# KiCad board M3DU_BoardV3_2.kicad_pcb (continued)
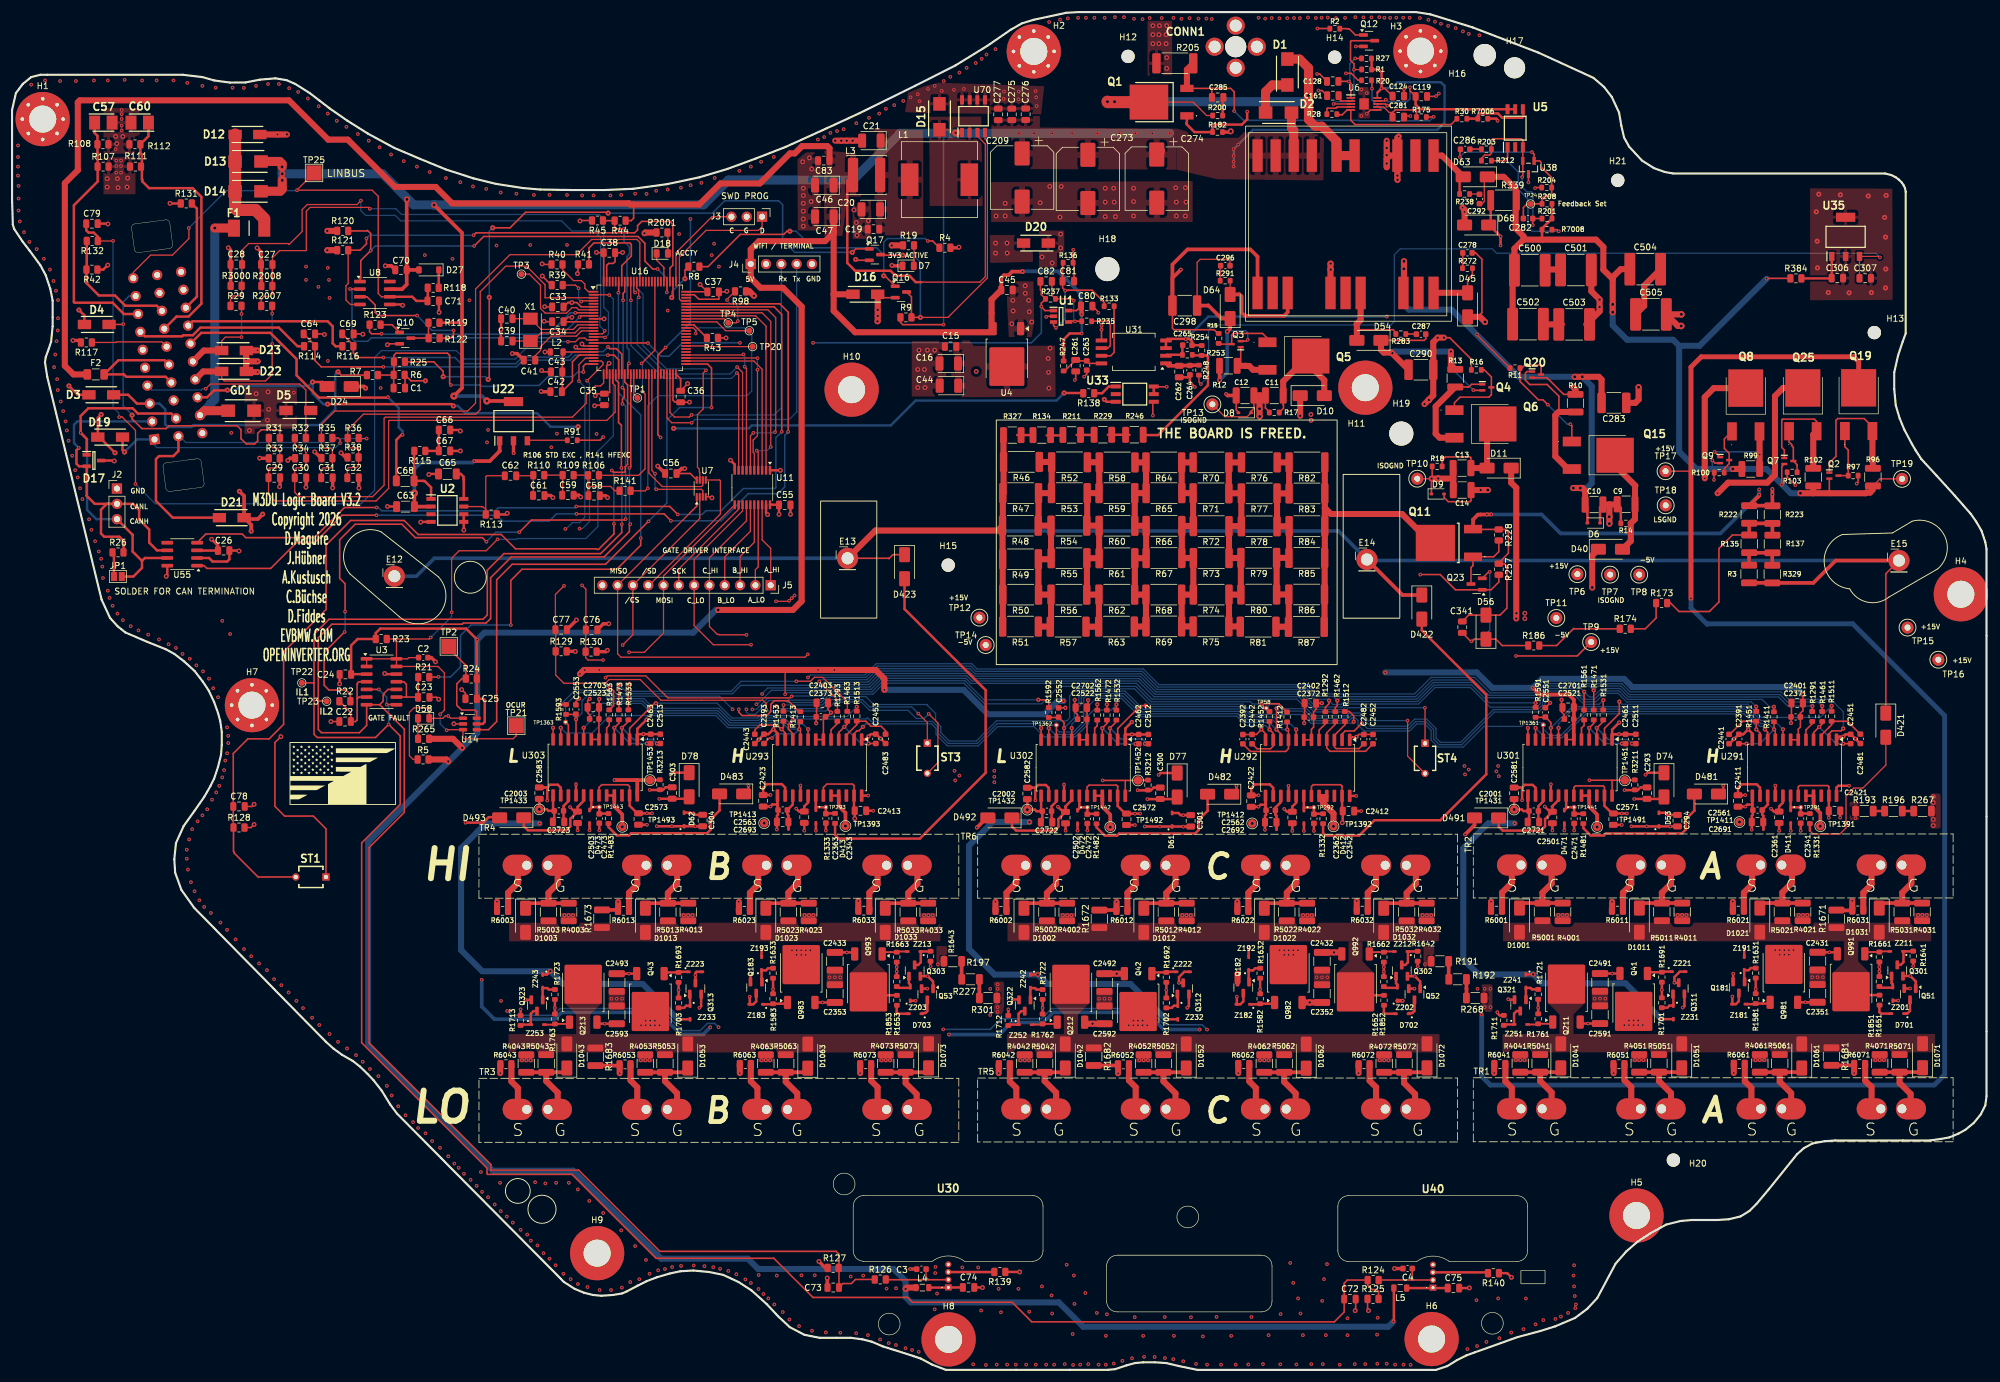
[diagram p0: board, top side]
## Library data of the parts (continued)
Q5 Q6 Q8 Q15 Q19 Q25 = -: Datasheet: https://componentsearchengine.com/Datasheets/1/NJVMJD127T4G.pdf; Description: Darlington Transistors BIP DPAK PNP 8A 100V 20 Watts; Manufacturer_Name: onsemi; Mouser Part Number: 863-NJVMJD127T4G; Mouser Price/Stock: https://www.mouser.co.uk/ProductDetail/onsemi/NJVMJD127T4G?qs=ru6cxL4sUikc9ROoWSvpxg%3D%3D
Q10 Q12 Q16 Q17 = -: Datasheet: https://www.onsemi.com/pdf/datasheet/pzt3904-d.pdf; Description: 0.2A Ic, 40V Vce, Small Signal NPN Transistor, SOT-23; ki_fp_filters: SOT?23*
Q11 = -: Datasheet: https://www.onsemi.com/download/data-sheet/pdf/FGD3N60LSD-D.PDF; Description: Obsolete - IGBT, 600V, 3A, 1.2V, DPAK, Planar; Height: 2.517; Manufacturer_Name: onsemi; Mouser Part Number: 512-FGD3N60LSDTM; Mouser Price/Stock: https://www.mouser.co.uk/ProductDetail/ON-Semiconductor-Fairchild/FGD3N60LSDTM?qs=1RUpyYoSILuyeMyjatYm%252BQ%3D%3D; Arrow Price/Stock: https://www.arrow.com/en/products/fgd3n60lsdtm/on-semiconductor
Q23 = -: Datasheet: http://assets.nexperia.com/documents/data-sheet/BSS84.pdf; Description: -0.13A Id, -50V Vds, P-Channel MOSFET, SOT-23; ki_fp_filters: SOT?23*
Q41-Q43 Q981-Q983 = -: Datasheet: https://ngspice.sourceforge.io/docs/ngspice-html-manual/manual.xhtml#cha_MOSFETs; Description: P-MOSFET transistor; Sim.Device: PMOS; Sim.Type: VDMOS; Sim.Pins: 1=G 2=D 3=S
Q51-Q53 = -: Description: N-MOSFET Depletion-mode
Q181-Q183 Q311-Q313 = -: Description: P-MOSFET transistor; Sim.Device: PMOS; Sim.Type: VDMOS; Sim.Pins: 1=G 2=S 3=D
Q211-Q213 Q991-Q993 = -: Description: N-MOSFET transistor; Sim.Device: NMOS; Sim.Type: VDMOS; Sim.Pins: 1=G 2=D 3=S
Q301-Q303 Q321-Q323 = -: Description: N-MOSFET transistor; Sim.Device: NMOS; Sim.Type: VDMOS; Sim.Pins: 1=G 2=S 3=D
R1-R5 R8-R18 R20 R25 R27 R28 R30 R46-R87 R91 R96 R97 R99 R100 R102 R103 R133-R137 R175 R182 R191-R193 R196 R197 R200 R201 R203 R204 R208 R211 R212 R222 R223 R227 R229 R235 R237 R238 R246-R248 R253 R254 R267 R268 R272 R283 R291 R301 R327 R329 R339 R1291-R1293 R1331-R1333 R1411-R1413 R1451-R1453 R1461-R1463 R1471-R1473 R1481-R1483 R1511-R1513 R1531-R1533 R1561-R1563 R1581-R1583 R1591-R1593 R1631-R1633 R1641-R1643 R1651-R1653 R1661-R1663 R1671-R1673 R1681-R1683 R1691-R1693 R1701-R1703 R1711-R1713 R1721-R1723 R1761-R1763 R1851-R1853 R3211-R3213 R4001-R4003 R4011-R4013 R4021-R4023 R4031-R4033 R4041-R4043 R4051-R4053 R4061-R4063 R4071-R4073 R5001-R5003 R5011-R5013 R5021-R5023 R5031-R5033 R5041-R5043 R5051-R5053 R5061-R5063 R5071-R5073 R6001-R6003 R6011-R6013 R6021-R6023 R6031-R6033 R6041-R6043 R6051-R6053 R6061-R6063 R6071-R6073 R7006 R7008 = -: Description: Resistor; ki_fp_filters: R_*
R6 R7 R19 R21-R24 R26 R29 R31-R45 R98 R106-R109 R111-R132 R138-R141 R173 R174 R186 R228 R257 R265 R384 R2001 R2007 R2008 R3000 = -: ki_fp_filters: R_*
R110 = -: JLC: 0805; LCSC: C26022; ki_fp_filters: R_*
R205 = -: Description: Resistor 6332; ki_fp_filters: R_*
ST1 ST3 ST4 = -: Description: Temperature dependent resistor; ki_fp_filters: R_*
T1 = -: Description: VGT22EPC-200S6A12
TP1 TP3-TP20 TP22-TP24 TP58 TP291-TP293 TP1361-TP1363 TP1391-TP1393 TP1411-TP1413 TP1431-TP1433 TP1441-TP1443 TP1451-TP1453 TP1491-TP1493 = -: Description: test point; ki_fp_filters: Pin* Test*
TP2 TP21 TP25 = -: ki_fp_filters: Pin* Test*
U1 = -: Datasheet: http://www.ti.com/lit/gpn/opa320; Description: Precision, Zero-Crossover, 20MHz, 0.9pA Ib, RRIO, CMOS Operational Amplifier; Height: 1.45; Manufacturer_Name: Texas Instruments; Mouser Part Number: 595-OPA320AIDBVR; Mouser Price/Stock: https://www.mouser.co.uk/ProductDetail/Texas-Instruments/OPA320AIDBVR?qs=g5raLcSarObYYXG7KaVGxQ%3D%3D; Arrow Price/Stock: https://www.arrow.com/en/products/opa320aidbvr/texas-instruments?region=nac
U2 = -: Datasheet: https://www.st.com/resource/en/datasheet/tda2822d.pdf; Description: STMICROELECTRONICS - TDA2822D013TR - Audio Power Amplifier, 300 mW, AB, 2 Channel, 1.8V to 15V, SOIC, 8 Pins; Height: 1.75; Manufacturer_Name: STMicroelectronics; Mouser Part Number: 511-TDA2822D013TR; Mouser Price/Stock: https://www.mouser.com/Search/Refine.aspx?Keyword=511-TDA2822D013TR
U3 = -: Datasheet: https://www.st.com/resource/en/datasheet/lm2901.pdf; ki_fp_filters: SOIC*3.9x8.7mm*P1.27mm* DIP*W7.62mm* TSSOP*4.4x5mm*P0.65mm*
U4 = -: Datasheet: https://www.st.com/resource/en/datasheet/ld1086.pdf; Description: Positive, 1.5A 30V, Linear Regulator, Fixed Output 3.3V, TO-252; ki_fp_filters: TO?252?2*
U5 U33 = -: Datasheet: https://docs.broadcom.com/docs/AV02-2373EN; Description: Broadcom ACPL-M49T-000E AC/DC Input, Transistor Output Optocoupler, Surface Mount, 5-Pin SO; Height: 2.6; Manufacturer_Name: Avago Technologies; Mouser Part Number: 630-ACPL-M49T-000E; Mouser Price/Stock: https://www.mouser.co.uk/ProductDetail/Broadcom-Avago/ACPL-M49T-000E?qs=KAs5CcNu0T5dK3kju8r8jA%3D%3D
U6 = -: Datasheet: http://www.ti.com/lit/gpn/TPS40211; Description: Wide Input Range Current Mode Boost Controller; Height: 1.1; Manufacturer_Name: Texas Instruments; Manufacturer_Part_Number: TPS40211DGQR; Mouser Part Number: 595-TPS40211DGQR; Mouser Price/Stock: https://www.mouser.co.uk/ProductDetail/Texas-Instruments/TPS40211DGQR?qs=QyYHynRG50oheXLf5vMKXA%3D%3D; Arrow Part Number: TPS40211DGQR; Arrow Price/Stock: https://www.arrow.com/en/products/tps40211dgqr/texas-instruments?region=nac
U7 = -: Datasheet: http://www.ti.com/lit/sg/scyt129e/scyt129e.pdf; Description: Triple Buffer Schmitt, Low-Voltage CMOS; ki_fp_filters: SSOP* VSSOP*
U8 = -: Datasheet: http://www.nxp.com/docs/en/data-sheet/TJA1021.pdf; Description: LIN 2.1/SAE J2602 transceiver, SOIC-8; ki_fp_filters: SOIC*3.9x4.9mm*P1.27mm*
U11 = -: Datasheet: https://www.ti.com/lit/ds/scas218x/scas218x.pdf; Description: 8-Bit Single-Supply Bus Transceiver With 5V tolerant input voltage and 3-State Outputs 24mA, TSSOP-20; ki_fp_filters: TSSOP*4.4x6.5mm*P0.65mm*
U14 = -: Datasheet: http://www.ti.com/lit/sg/scyt129e/scyt129e.pdf; ki_fp_filters: SOT* SG-*
U16 = -: Datasheet: https://www.st.com/resource/en/datasheet/stm32f103vc.pdf; Description: STMicroelectronics Arm Cortex-M3 MCU, 256KB flash, 48KB RAM, 72 MHz, 2.0-3.6V, 80 GPIO, LQFP100; LCSC PN: C8313; ki_fp_filters: LQFP*14x14mm*P0.5mm*
U22 = -: Datasheet: https://www.onsemi.com/pub/Collateral/NCV8452-D.PDF; Description: Short Circuit Protection; Thermal Shutdown with Automatic Restart; CMOS (3 V/5 V) Compatible Control Input; Overvoltage Protection and Shutdown; Output Voltage Clamp for Inductive Switching; Under Voltage Shutdown; Loss of Ground Protection; ESD Protection; Reverse Battery Protection (with external resistor); Very Low Standby Current; NCV Prefix for Automotive and Other Applications Requiring Unique Site and Control Change Requirements; AEC-Q100 Qualified and PPAP Capable; Height: 1.75; Manufacturer_Name: onsemi; Mouser Part Number: 863-NCV8452STT3G; Mouser Price/Stock: https://www.mouser.co.uk/ProductDetail/onsemi/NCV8452STT3G?qs=8%252BXDBfnGdBworrfSDzzDIg%3D%3D; Arrow Price/Stock: https://www.arrow.com/en/products/ncv8452stt3g/on-semiconductor?region=nac
U30 U40 = -: Datasheet: https://www.melexis.com/-/media/files/documents/datasheets/mlx91209-datasheet-melexis.pdf; Description: Board Mount Current Sensors Gen2 HiSpeed Conv.Hall Prog.Curr.Sens Ana 50mV/mT; Height: 3.79; Manufacturer_Name: Melexis; Mouser Part Number: 482-91209LVACAA000SP; Mouser Price/Stock: https://www.mouser.co.uk/ProductDetail/Melexis/MLX91209LVA-CAA-000-SP?qs=KuGPmAKtFKXKHFeHm%2FA20A%3D%3D
U31 = -: Datasheet: www.avagotech.com/docs/AV02-3563EN; Description: Precision Optycally Isolated Voltage Sensor, ±1% Gain Tolerance, Bandwidth 100kHz, SSO-8; ki_fp_filters: SSO*6.8x5.9mm*P1.27mm*Clearance8mm*
U35 = -: Datasheet: https://datasheet.datasheetarchive.com/originals/distributors/Datasheets-303/43537.pdf; Description: 120mA,5V,LDO Voltage Regulator,TLE4264G TLE4264G, Low Dropout Voltage Regulator, 0.12A, 5 V +/-2%, 5.5  45 Vin, 4-Pin SOT-223; Height: 1.8; Manufacturer_Name: Infineon; Mouser Part Number: 726-TLE4264G; Mouser Price/Stock: https://www.mouser.co.uk/ProductDetail/Infineon-Technologies/TLE4264G?qs=3D22qUCSisCIACCN0Om0Vg%3D%3D
U38 = -: Datasheet: http://componentsearchengine.com/Datasheets/1/TL432AQDBZRQ1.pdf; Description: Automotive adjustable precision shunt regulator (pin layout: RKA); Manufacturer_Name: Texas Instruments; Mouser Part Number: 595-TL432AQDBZRQ1; Mouser Price/Stock: https://www.mouser.co.uk/ProductDetail/Texas-Instruments/TL432AQDBZRQ1?qs=IDSsxkoac0x7JFh2egSvWA%3D%3D; Arrow Price/Stock: https://www.arrow.com/en/products/tl432aqdbzrq1/texas-instruments?region=nac
U55 = -: Datasheet: http://www.ti.com/lit/ds/symlink/sn65hvd230.pdf; ki_fp_filters: SOIC*3.9x4.9mm*P1.27mm*
U70 = -: Datasheet: https://datasheet.lcsc.com/lcsc/1809050422_XLSEMI-XL1509-5-0E1_C61063.pdf; Description: gh; Height: 1.75; Manufacturer_Name: 1-Avel
U291-U293 U301-U303 = -: Datasheet: https://www.st.com/resource/en/datasheet/stgap1as.pdf; ki_fp_filters: SOIC*7.5x15.4mm*P1.27mm*
X1 = -: Datasheet: https://datasheet.lcsc.com/szlcsc/1903061615_Yangxing-Tech-X50328MSB2GI_C115962.pdf; Description: SMD Crystal Resonators 8MHz +/-10ppm SMD-5032_2P RoHS; Height: 1.35; Manufacturer_Name: Yangxing Tech
Z181-Z183 Z191-Z193 Z201-Z203 Z211-Z213 Z221-Z223 Z231-Z233 Z241-Z243 Z251-Z253 = -: Description: Zener diode OH; Sim.Device: D; Sim.Pins: 1=K 2=A; ki_fp_filters: TO-???* *_Diode_* *SingleDiode* D_*

## Footprints (pads in the part's own frame, mm; a bottom-side part is the same pattern mirrored in y, then rotated)
B59100C0140A070
  rect 1.2x1.2 hole 0.7: 1(0,0)
  round 1.2 hole 0.7: 2(5,0)
C_0603_1608Metric
  rrect 0.9x0.95 smd: 1(-0.775,0) 2(0.775,0)
C_0805_2012Metric
  rrect 1x1.45 smd: 1(-0.95,0) 2(0.95,0)
C_1206_3216Metric
  rrect 1.15x1.8 smd: 1(-1.475,0) 2(1.475,0)
C_1210_3225Metric
  rrect 1.15x2.7 smd: 1(-1.475,0) 2(1.475,0)
C_1812_4532Metric
  rrect 1.4x3.4 smd: 1(-2.05,0) 2(2.05,0)
C_2220_5750Metric
  rrect 1.8x5.4 smd: 1(-2.55,0) 2(2.55,0)
CAPPM3528X210N
  rect 1.8x2.3 smd: 1(-1.45,0) 2(1.45,0)
CP_EIA-3528-15_AVX-H
  rrect 1.34x2.39 smd: 1(-1.54,0) 2(1.54,0)
CP_EIA-3528-15_AVX-H#2
  rrect 1.325x2.35 smd: 1(-1.538,0) 2(1.538,0)
CP_Elec_10x10
  rrect 4x2.5 smd: 1(-4,0) 2(4,0)
Crystal_SMD_5032-2Pin_5.0x3.2mm
  rect 2x2.4 smd: 1(-1.85,0) 2(1.85,0)
D_SMA
  rrect 2.5x1.8 smd: 1(-2,0) 2(2,0)
D_SOD-123
  rrect 0.9x1.2 smd: 1(-1.65,0) 2(1.65,0)
D_SOD-323
  rrect 0.75x0.45 smd: 1(-1.125,0) 2(1.125,0)
D_SOD-323#2
  rrect 0.6x0.45 smd: 1(-1.05,0) 2(1.05,0)
DIOM5026X229N
  rect 2.2x1.55 smd: 1(-2.05,0) 2(2.05,0)
DIOM5127X229N
  rect 2.2x1.55 smd: 1(-2.05,0) 2(2.05,0)
DIOM5336X244N
  rect 2.25x2.05 smd: 1(-2.15,0) 2(2.15,0)
DIONM5127X229N
  rect 2.2x1.55 smd: 1(-2.05,0) 2(2.05,0)
FGD3N60LSDTM
  rect 1.4x3 smd: 1(-2.3,-4) 3(2.3,-4)
  rect 6x6.5 smd: 2(0,2.25)
FUSC6126X280N
  rect 1.99x2.82 smd: 1(-2.515,0) 2(2.515,0)
Fuse_1206_3216Metric
  rrect 1.25x1.75 smd: 1(-1.4,0) 2(1.4,0)
HV_HVIL
  round 3.5 hole 3.5 unplated: (0,0)
  round 3 hole 2: 1(-3.5,0) 2(3.5,0) 3(0,3.5) 4(0,-3.5)
IPD50N06S409ATMA2
  rect 1.2x2.2 smd: 1(-2.28,-4.25) 3(2.28,-4.25)
  rect 5.8x6.4 smd: 2(0,2.05)
L_12x12mm_H8mm
  rect 2.9x5.4 smd: 1(-4.95,0) 2(4.95,0)
L_0805_2012Metric
  rrect 0.875x1.2 smd: 1(-1.062,0) 2(1.062,0)
L_APV_ANR6020
  rrect 1.7x5.7 smd: 1(-2.25,0) 2(2.25,0)
LED_0805_2012Metric
  rrect 0.975x1.4 smd: 1(-0.938,0) 2(0.938,0)
LQFP-100_14x14mm_P0.5mm
  rrect 1.6x0.3 smd: 1(-7.675,6) 2(-7.675,5.5) 3(-7.675,5) 4(-7.675,4.5) 5(-7.675,4) 6(-7.675,3.5) 7(-7.675,3) 8(-7.675,2.5) 9(-7.675,2) 10(-7.675,1.5) 11(-7.675,1) 12(-7.675,0.5) 13(-7.675,0) 14(-7.675,-0.5) 15(-7.675,-1) 16(-7.675,-1.5) 17(-7.675,-2) 18(-7.675,-2.5) 19(-7.675,-3) 20(-7.675,-3.5) 21(-7.675,-4) 22(-7.675,-4.5) 23(-7.675,-5) 24(-7.675,-5.5) 25(-7.675,-6) 51(7.675,-6) 52(7.675,-5.5) 53(7.675,-5) 54(7.675,-4.5) 55(7.675,-4) 56(7.675,-3.5) 57(7.675,-3) 58(7.675,-2.5) 59(7.675,-2) 60(7.675,-1.5) 61(7.675,-1) 62(7.675,-0.5) 63(7.675,0) 64(7.675,0.5) 65(7.675,1) 66(7.675,1.5) 67(7.675,2) 68(7.675,2.5) 69(7.675,3) 70(7.675,3.5) 71(7.675,4) 72(7.675,4.5) 73(7.675,5) 74(7.675,5.5) 75(7.675,6)
  rrect 0.3x1.6 smd: 26(-6,-7.675) 27(-5.5,-7.675) 28(-5,-7.675) 29(-4.5,-7.675) 30(-4,-7.675) 31(-3.5,-7.675) 32(-3,-7.675) 33(-2.5,-7.675) 34(-2,-7.675) 35(-1.5,-7.675) 36(-1,-7.675) 37(-0.5,-7.675) 38(0,-7.675) 39(0.5,-7.675) 40(1,-7.675) 41(1.5,-7.675) 42(2,-7.675) 43(2.5,-7.675) 44(3,-7.675) 45(3.5,-7.675) 46(4,-7.675) 47(4.5,-7.675) 48(5,-7.675) 49(5.5,-7.675) 50(6,-7.675) 76(6,7.675) 77(5.5,7.675) 78(5,7.675) 79(4.5,7.675) 80(4,7.675) 81(3.5,7.675) 82(3,7.675) 83(2.5,7.675) 84(2,7.675) 85(1.5,7.675) 86(1,7.675) 87(0.5,7.675) 88(0,7.675) 89(-0.5,7.675) 90(-1,7.675) 91(-1.5,7.675) 92(-2,7.675) 93(-2.5,7.675) 94(-3,7.675) 95(-3.5,7.675) 96(-4,7.675) 97(-4.5,7.675) 98(-5,7.675) 99(-5.5,7.675) 100(-6,7.675)
M3_HVPOS
  round 3.5 hole 2: 1(0,0)
M3DU_MAINCONN
  rect 1.7x1.7 hole 1: 1(-4,15)
  oval 1.7x1.7 hole 1: 2(-4,12) 3(-4,9) 4(-4,6) 5(-4,3) 6(-4,0) 7(-4,-3) 8(-4,-6) 9(-4,-9) 10(-4,-12) 11(0,15) 12(0,12) 13(0,9) 14(0,6) 15(0,3) 16(0,0) 17(0,-3) 18(0,-6) 19(0,-9) 20(0,-12) 21(4,15) 22(4,12) 23(4,9) 24(4,6) 25(4,3) 26(4,0) 27(4,-3) 28(4,-6) 29(4,-9) 30(4,-12)
M3DU_Mosfets
  oval 5x3.5 hole 1.5: 1(7.93,5.461) 2(11.43,5.461) 3(27.742,5.461) 4(31.242,5.461) 5(47.681,5.461) 6(51.181,5.461) 7(67.62,5.461) 8(71.12,5.461)
MountingHole_2.2mm_M2
  round 2.2 hole 2.2 unplated: (0,0)
MountingHole_3.5mm
  round 3.5 hole 3.5 unplated: (0,0)
MountingHole_3.7mm
  round 3.7 hole 3.7 unplated: (0,0)
MountingHole_4.5mm_Pad_TopBottom
  round 4.9 hole 4.5: 1(0,0)
  round 9 smd: 1(0,0)
  round 9 smd far side: 1(0,0)
MountingHole_4.5mm_Pad_Via
  round 0.9 hole 0.6: 1(-3.375,0) 1(-2.386,2.386) 1(-2.386,-2.386) 1(0,3.375) 1(0,-3.375) 1(2.386,2.386) 1(2.386,-2.386) 1(3.375,0)
  round 9 hole 4.5: 1(0,0)
MountingHole_4mm
  round 4 hole 4 unplated: (0,0)
NVD5117PLT4GVF01
  rect 3x1.6 smd: 1(8.95,-2.285) 3(8.95,2.285)
  rect 6.2x5.8 smd: 2(1.77,0)
PinHeader_1x03_P2.54mm_Vertical
  rect 1.7x1.7 hole 1: 1(0,0)
  oval 1.7x1.7 hole 1: 2(0,-2.54) 3(0,-5.08)
PinHeader_1x05_P2.54mm_Vertical
  rect 1.7x1.7 hole 1: 1(0,0)
  oval 1.7x1.7 hole 1: 2(0,-2.54) 3(0,-5.08) 4(0,-7.62) 5(0,-10.16)
PinSocket_1x12_P2.54mm_Vertical
  rect 1.7x1.7 hole 1: 1(0,0)
  oval 1.7x1.7 hole 1: 2(0,-2.54) 3(0,-5.08) 4(0,-7.62) 5(0,-10.16) 6(0,-12.7) 7(0,-15.24) 8(0,-17.78) 9(0,-20.32) 10(0,-22.86) 11(0,-25.4) 12(0,-27.94)
R_0603_1608Metric
  rrect 0.8x0.95 smd: 1(-0.825,0) 2(0.825,0)
R_0805_2012Metric
  rrect 1.025x1.4 smd: 1(-0.912,0) 2(0.912,0)
R_1206_3216Metric
  rrect 1.125x1.75 smd: 1(-1.462,0) 2(1.462,0)
R_1210_3225Metric
  rrect 1.125x2.65 smd: 1(-1.462,0) 2(1.462,0)
R_1812_4532Metric
  rrect 1.125x3.4 smd: 1(-2.138,0) 2(2.138,0)
R_2512_6332Metric
  rrect 1.225x3.35 smd: 1(-2.962,0) 2(2.962,0)
R_2512_6332Metric_Pad1.40x3.35mm_HandSolder
  rrect 1.4x3.35 smd: 1(-3.05,0) 2(3.05,0)
SIP_4L_VA
  rect 1x1.1 hole 0.5: 1(0,0)
  round 1 hole 0.5: 2(1.27,0) 3(2.54,0) 4(3.81,0)
SOIC127P600X175-8N
  rect 1.525x0.65 smd: 1(-2.712,1.905) 2(-2.712,0.635) 3(-2.712,-0.635) 4(-2.712,-1.905) 5(2.712,-1.905) 6(2.712,-0.635) 7(2.712,0.635) 8(2.712,1.905)
SOIC127P700X260-6N
  rect 1.65x0.65 smd: 1(-3.15,1.27) 2(-3.15,0) 3(-3.15,-1.27) 4(3.15,-1.27) 5(3.15,0) 6(3.15,1.27)
SOIC-8_3.9x4.9mm_P1.27mm
  rrect 1.95x0.6 smd: 1(-2.475,1.905) 2(-2.475,0.635) 3(-2.475,-0.635) 4(-2.475,-1.905) 5(2.475,-1.905) 6(2.475,-0.635) 7(2.475,0.635) 8(2.475,1.905)
SOIC-14_3.9x8.7mm_P1.27mm
  rrect 1.95x0.6 smd: 1(-2.475,3.81) 2(-2.475,2.54) 3(-2.475,1.27) 4(-2.475,0) 5(-2.475,-1.27) 6(-2.475,-2.54) 7(-2.475,-3.81) 8(2.475,-3.81) 9(2.475,-2.54) 10(2.475,-1.27) 11(2.475,0) 12(2.475,1.27) 13(2.475,2.54) 14(2.475,3.81)
SOIC-24W_7.5x15.4mm_P1.27mm
  rrect 2.05x0.6 smd: 1(-4.65,6.985) 2(-4.65,5.715) 3(-4.65,4.445) 4(-4.65,3.175) 5(-4.65,1.905) 6(-4.65,0.635) 7(-4.65,-0.635) 8(-4.65,-1.905) 9(-4.65,-3.175) 10(-4.65,-4.445) 11(-4.65,-5.715) 12(-4.65,-6.985) 13(4.65,-6.985) 14(4.65,-5.715) 15(4.65,-4.445) 16(4.65,-3.175) 17(4.65,-1.905) 18(4.65,-0.635) 19(4.65,0.635) 20(4.65,1.905) 21(4.65,3.175) 22(4.65,4.445) 23(4.65,5.715) 24(4.65,6.985)
SolderJumper-2_P1.3mm_Open_Pad1.0x1.5mm
  rect 1x1.5 smd: 1(-0.65,0) 2(0.65,0)
SOP50P490X110-11N
  rect 1.4x0.3 smd: 1(-2.2,1) 2(-2.2,0.5) 3(-2.2,0) 4(-2.2,-0.5) 5(-2.2,-1) 6(2.2,-1) 7(2.2,-0.5) 8(2.2,0) 9(2.2,0.5) 10(2.2,1)
  rect 1.57x1.88 smd: 11(0,0)
SOT50P160X90-3N
  rect 1x0.4 smd: 1(-0.75,0.5) 2(-0.75,-0.5) 3(0.75,0)
SOT95P237X112-3N
  rect 1.321x0.559 smd: 1(-1.092,0.94) 2(-1.092,-0.94)
  rect 1.321x0.508 smd: 3(1.092,0)
SOT95P255X150-3N
  rect 1.35x0.6 smd: 1(-1.2,0.95) 2(-1.2,-0.95) 3(1.2,0)
SOT95P280X145-5N
  rect 1.2x0.6 smd: 1(-1.25,0.95) 2(-1.25,0) 3(-1.25,-0.95) 4(1.25,-0.95) 5(1.25,0.95)
SOT230P700X180-4N
  rect 1.5x0.9 smd: 1(-3.25,2.3) 2(-3.25,0) 3(-3.25,-2.3)
  rect 1.5x3.2 smd: 4(3.25,0)
SOT-23
  rrect 1.475x0.6 smd: 1(-0.938,0.95) 2(-0.938,-0.95) 3(0.938,0)
SOT-23-6
  rrect 1.325x0.6 smd: 1(-1.137,0.95) 2(-1.137,0) 3(-1.137,-0.95) 4(1.137,-0.95) 5(1.137,0) 6(1.137,0.95)
SSO-8_6.8x5.9mm_P1.27mm_Clearance8mm
  rect 1.905x0.64 smd: 1(-5.348,1.905) 2(-5.348,0.635) 3(-5.348,-0.635) 4(-5.348,-1.905) 5(5.348,-1.905) 6(5.348,-0.635) 7(5.348,0.635) 8(5.348,1.905)
TestPoint_Keystone_5000-5004_Miniature
  round 2 hole 1: 1(0,0)
TestPoint_Pad_2.5x2.5mm
  rect 2.5x2.5 smd: 1(0,0)
TestPoint_Pad_D1.0mm
  round 1 smd: 1(0,0)
TestPoint_Pad_D1.5mm
  round 1.4 smd: 1(0,0)
TestPoint_Via
  round 0.8 hole 0.4: 1(0,0)
TO-252-2
  rrect 2.2x1.2 smd: 1(-5.04,2.28) 3(-5.04,-2.28)
  rrect 6.5x6.2 smd: 2(1.25,0)
TO-252-2#2
  rrect 3.05x2.75 smd: (-0.415,1.525) (-0.415,-1.525) (2.935,1.525) (2.935,-1.525)
  rrect 2.2x1.2 smd: 1(-5.04,2.28) 3(-5.04,-2.28)
  rrect 6.4x5.8 smd: 2(1.26,0)
TSSOP-20_4.4x6.5mm_P0.65mm
  rrect 1.475x0.4 smd: 1(-2.862,2.925) 2(-2.862,2.275) 3(-2.862,1.625) 4(-2.862,0.975) 5(-2.862,0.325) 6(-2.862,-0.325) 7(-2.862,-0.975) 8(-2.862,-1.625) 9(-2.862,-2.275) 10(-2.862,-2.925) 11(2.862,-2.925) 12(2.862,-2.275) 13(2.862,-1.625) 14(2.862,-0.975) 15(2.862,-0.325) 16(2.862,0.325) 17(2.862,0.975) 18(2.862,1.625) 19(2.862,2.275) 20(2.862,2.925)
VGT22EPC-200S6A12
  rect 1.7x5.4 smd: 1(-17.1,-12) 2(-14.1,-12) 3(-11.1,-12) 4(-4,-12) 5(-1,-12) 6(3.1,-12) 7(6.1,-12) 8(9.1,-12) 9(12.1,-12) 10(12.1,10.8) 11(9.6,10.8) 12(7.1,10.8) 13(0,10.8) 14(-2.5,10.8) 15(-5,10.8) 16(-12.1,10.8) 17(-14.6,10.8) 18(-17.1,10.8)
VSSOP-8_2.3x2mm_P0.5mm
  rrect 1.25x0.35 smd: 1(-1.4,0.75) 2(-1.4,0.25) 3(-1.4,-0.25) 4(-1.4,-0.75) 5(1.4,-0.75) 6(1.4,-0.25) 7(1.4,0.25) 8(1.4,0.75)

## Nets
+3.3VA: C42.2 C43.2 L2.2 U16.21 U16.22
+3V3: C15.1 C16.1 C26.1 C33.2 C34.1 C35.1 C36.1 C37.1 C38.1 C44.1 C55.1 C56.1 C2371.2 C2372.2 C2373.2 C2401.2 C2402.2 C2403.2 C2521.2 C2522.2 C2523.2 C2701.2 C2702.2 C2703.2 D20.1 L2.1 R19.1 R39.1 R40.1 R43.1 R98.1 R107.2 R111.2 R120.1 R121.1 R131.1 R2001.1 ST1.1 ST3.1 ST4.1 U4.2 U7.8 U11.1 U11.20 U16.6 U16.11 U16.28 U16.50 U16.75 U16.100 U55.3 U291.6 U291.7 U292.6 U292.7 U293.6 U293.7 U301.6 U301.7 U302.6 U302.7 U303.6 U303.7
+5V: C24.1 C25.1 C45.1 C46.1 C47.1 C80.1 C83.1 D16.1 F2.2 J4.1 L3.2 L4.1 L5.1 R5.1 R23.2 R24.2 R44.1 R247.1 R265.2 U1.5 U3.3 U4.3 U14.5 U70.3
+5VP: C307.1 R248.2 U35.3
+12V: C70.1 C124.1 C209.1 C273.1 C274.1 C275.1 C276.1 C277.1 D2.2 D13.1 D14.1 D27.2 R1.2 R9.1 R27.1 R119.1 T1.6 T1.7 T1.8 T1.9 U6.10 U8.7 U22.4 U70.1
+15VH: C341.1 D56.1 Q23.2 R186.1 U33.5 U33.6
/5Vunfil: C19.1 C20.1 C21.1 L1.2 L3.1
/GND_ISO_A: C9.1 C10.2 C2341.2 C2351.2 C2361.2 C2411.2 C2421.2 C2431.1 C2561.1 C2691.1 D6.1 D411.2 D481.1 R14.2 R1671.2 R6001.1 R6011.1 R6021.1 R6031.1 TP7.1 TP1411.1 U291.13 U291.16 U291.24
/GND_ISO_B: C11.1 C12.2 C2343.2 C2353.2 C2363.2 C2413.2 C2423.2 C2433.1 C2563.1 C2693.1 D8.1 D413.2 D483.1 R17.2 R1673.2 R6003.1 R6013.1 R6023.1 R6033.1 TP13.1 TP1413.1 U293.13 U293.16 U293.24
/GND_ISO_C: C13.1 C14.2 C2342.2 C2352.2 C2362.2 C2412.2 C2422.2 C2432.1 C2562.1 C2692.1 D9.1 D412.2 D482.1 R18.2 R1672.2 R6002.1 R6012.1 R6022.1 R6032.1 TP10.1 TP1412.1 U292.13 U292.16 U292.24
GND: C1.2 C2.2 C3.2 C4.2 C15.2 C16.2 C19.2 C20.2 C21.2 C22.2 C23.2 C24.2 C25.2 C26.2 C27.2 C28.2 C29.2 C30.2 C31.2 C32.2 C33.1 C34.2 C35.2 C36.2 C37.2 C38.2 C39.1 C40.1 C41.1 C42.1 C43.1 C44.2 C45.2 C46.2 C47.2 C55.2 C56.2 C57.2 C58.2 C59.2 C60.2 C61.2 C63.1 C64.2 C65.1 C66.2 C67.2 C69.2 C70.2 C71.2 C72.2 C73.2 C74.2 C75.2 C76.2 C77.2 C78.2 C79.2 C80.2 C81.2 C83.2 C119.2 C124.2 C128.2 C161.2 C209.2 C261.2 C263.1 C273.2 C274.2 C275.2 C276.2 C277.2 C281.2 C2371.1 C2372.1 C2373.1 C2391.2 C2392.2 C2393.2 C2401.1 C2402.1 C2403.1 C2441.2 C2442.2 C2443.2 C2451.2 C2452.2 C2453.2 C2461.2 C2462.2 C2463.2 C2481.2 C2482.2 C2483.2 C2511.2 C2512.2 C2513.2 C2521.1 C2522.1 C2523.1 C2551.2 C2552.2 C2553.2 C2701.1 C2702.1 C2703.1 D3.2 D4.2 D5.2 D7.1 D12.2 D15.2 D16.2 D17.3 D19.2 D20.2 D21.2 D22.2 D23.2 D24.1 GD1.1 H1.1 H2.1 H3.1 H7.1 J1.5 J1.6 J1.13 J2.1 J3.2 J4.5 Q10.2 Q12.2 Q16.2 Q17.2 R4.2 R6.1 R33.1 R34.1 R37.1 R38.1 R41.1 R42.1 R45.2 R108.1 R112.1 R113.1 R117.2 R125.1 R127.1 R128.2 R129.2 R130.2 R136.2 R139.1 R140.1 R182.2 R205.2 R2008.1 R3000.1 R7006.2 U1.2 U2.4 U2.5 U2.6 U3.12 U4.1 U6.6 U6.11 U7.4 U8.5 U11.10 U11.19 U14.2 U16.10 U16.19 U16.20 U16.27 U16.49 U16.74 U16.99 U22.2 U30.4 U31.5 U33.3 U40.4 U55.2 U55.8 U70.5 U70.6 U70.7 U70.8 U291.1 U291.12 U292.1 U292.12 U293.1 U293.12 U301.1 U301.12 U302.1 U302.12 U303.1 U303.12
+12P: F1.1 GD1.2 J1.22
/ASC_L: R3211.1 R3212.1 R3213.1 TP1451.1 TP1452.1 TP1453.1 U301.24 U302.24 U303.24
/CANH: D17.1 J1.12 J2.3 JP1.2 U55.7
/CANL: D17.2 J1.2 J2.2 R26.2 U55.6
/GATE_CS: J5.10 R1461.2 R1462.2 R1463.2 R1471.2 R1472.2 R1473.2 U7.2
/GATE_DIAG: D58.1 R5.2 TP1361.1 TP1362.1 TP1363.1 U14.1 U291.10 U292.10 U293.10 U301.10 U302.10 U303.10
/GATE_SD: J5.9 R1451.2 R1452.2 R1453.2 TP58.1 U7.5
/GATE_SPI_MISO: J5.11 U7.1 U291.2
/GATE_SPI_MOSI: J5.8 R1533.2 U11.11
/GATE_SPI_SCK: J5.7 R1291.2 R1292.2 R1293.2 R1561.2 R1562.2 R1563.2 U11.12
/HV+: D421.1 D422.1 D423.1 E12.1 E13.1 E14.1 E15.1 R3.2 R46.2 R47.2 R48.2 R49.2 R50.2 R51.2 R327.1 R329.2
/LIN_BUS: C71.1 J1.10 R118.2 TP25.1 U8.6
/PWMA_HI: J5.1 R1411.2 U11.18
/PWMA_LO: J5.2 R1591.2 U11.17
/PWMB_HI: J5.3 R1413.2 U11.16
/PWMB_LO: J5.4 R1593.2 U11.15
/PWMC_HI: J5.5 R1412.2 U11.14
/PWMC_LO: J5.6 R1592.2 U11.13
/SDI_A: R1531.2 U292.2
/SDI_C: R1532.2 U293.2
/VH_HS_A: C2351.1 C2361.1 D40.1 Q181.2 Q981.3 R1581.2 R1631.1 TP6.1 U291.17
/VH_HS_B: C2353.1 C2363.1 D10.1 Q183.2 Q983.3 R1583.2 R1633.1 TP12.1 U293.17
/VH_HS_C: C2352.1 C2362.1 D11.1 Q182.2 Q982.3 R1582.2 R1632.1 TP9.1 U292.17
/VH_LS: D491.2 D492.2 D493.2
/VH_LS_A: C2491.1 C2501.1 D74.1 D491.1 Q41.3 Q311.2 R1691.2 R1701.1 U301.17
/VH_LS_A_PRI: C293.1 D74.2 Q19.2 TP17.1
/VH_LS_B: C2493.1 C2503.1 D78.1 D493.1 Q43.3 Q313.2 R1693.2 R1703.1 U303.17
/VH_LS_B_PRI: C303.1 D78.2 Q25.2 TP15.1
/VH_LS_C: C2492.1 C2502.1 D77.1 D492.1 Q42.3 Q312.2 R1692.2 R1702.1 U302.17
/VH_LS_C_PRI: C300.1 D77.2 Q8.2 TP16.1
/VL_HS_A: C10.1 C283.2 C2411.1 C2421.1 C2431.2 D6.2 Q51.1 Q301.2 Q991.3 R11.2 R1651.2 R1661.1 T1.16 TP8.1 U291.14 U291.19 U291.23
/VL_HS_B: C12.1 C298.2 C2413.1 C2423.1 C2433.2 D8.2 Q53.1 Q303.2 Q993.3 R15.2 R1663.1 R1853.2 T1.10 TP14.1 U293.14 U293.19 U293.23
/VL_HS_C: C14.1 C290.2 C2412.1 C2422.1 C2432.2 D9.2 Q52.1 Q302.2 Q992.3 R16.2 R1652.2 R1662.1 T1.13 TP11.1 U292.14 U292.19 U292.23
ACCEL1: D23.1 J1.25 R29.2
ACCEL2: D22.1 J1.24 R2007.2
ACT_DISCH: D24.2 J1.23 R138.2
BMS_IN: TP5.1 U16.65
BRAKE: D21.1 J1.11 R36.2
BRAKE_IN: C32.1 R36.1 R38.2 U16.3
CAN_RX: U16.70 U55.4
CAN_TX: U16.71 U55.1
COSA: C57.1 J1.8 R107.1 R108.2
COSB: J1.27 R116.2
DCSW_OUT: TP3.1 U16.7
DESAT: R98.2 TP4.1 U16.66
EMCYSTOP_IN: R43.2 U16.64
ENC_A: C64.1 R114.1 U16.31
ENC_B: C69.1 R116.1 U16.32
EXC_OUT: R106.2 U16.83
EXCA: C68.2 J1.26
EXCB: J1.16 R117.1
FORW_IN: D4.1 J1.9 R31.2
FWD_IN: C29.1 R31.1 R33.2 U16.29
GATE PSU EN: R2.1 R91.2 U16.44
GATEDRV_CS: U7.6 U16.41
GATEDRV_SD: U7.3 U16.42
HFEXC: R141.2 U16.63
HV DISCH EN: U16.43
HV-: C262.1 C264.2 C265.2 C293.2 C294.2 C300.2 C301.2 C303.2 C304.2 C306.2 C307.2 C341.2 C2001.1 C2002.1 C2003.1 C2471.2 C2472.2 C2473.2 C2491.2 C2492.2 C2493.2 C2501.2 C2502.2 C2503.2 C2571.2 C2572.2 C2573.2 C2581.2 C2582.2 C2583.2 C2591.1 C2592.1 C2593.1 C2721.1 C2722.1 C2723.1 D53.1 D56.2 D61.1 D62.1 D68.1 D471.2 D472.2 D473.2 Q11.3 R222.1 R223.1 R228.1 R254.2 R257.1 R267.2 R268.2 R301.2 R339.1 R1681.2 R1682.2 R1683.2 R3211.2 R3212.2 R3213.2 R6041.1 R6042.1 R6043.1 R6051.1 R6052.1 R6053.1 R6061.1 R6062.1 R6063.1 R6071.1 R6072.1 R6073.1 TP1431.1 TP1432.1 TP1433.1 U31.3 U31.4 U35.2 U35.4 U301.13 U301.16 U302.13 U302.16 U303.13 U303.16
IL1: C72.1 R124.1 R125.2 TP22.1 U3.5 U3.8 U16.30
IL2: C73.1 R126.1 R127.2 TP23.1 U3.7 U3.10 U16.35
LED_OUT: D18.1 U16.80
LIN_NSLP: U8.2 U16.9
LIN_Rx: R120.2 U8.1 U16.79
LIN_Tx: R121.2 U8.4 U16.78
LIN_WAKE: R123.1 U16.8
LS_+V: C292.1 C500.1 C502.1 C504.1 D63.1 Q2.2 Q7.2 Q9.2 R96.1 R99.1 R102.1 R201.2 R208.2 R339.2 R384.1 R7008.1 TP19.1
LS_GND: C294.1 C301.1 C304.1 C501.2 C503.2 C505.2 C2571.1 C2572.1 C2573.1 C2581.1 C2582.1 C2583.1 C2591.2 C2592.2 C2593.2 D53.2 D61.2 D62.2 D68.2 Q211.3 Q212.3 Q213.3 Q321.2 Q322.2 Q323.2 R97.2 R100.2 R103.2 R204.1 R1721.2 R1722.2 R1723.2 R1761.1 R1762.1 R1763.1 T1.3 TP18.1 U38.3 U301.14 U301.19 U301.23 U302.14 U302.19 U302.23 U303.14 U303.19 U303.23
MAIN_PSU_EN: R8.2 U16.77
MOT_NTC1: J1.28 R131.2
MOT_NTC2: J1.18 R42.2 R132.2
MPROT_IN: R39.2 U16.4
OCUR_IN: C2.1 R23.1 TP21.1 U3.1 U3.2 U3.13 U3.14 U14.3 U16.2
OCURLIM_NEG: R22.2 U16.93
OCURLIM_POS: R21.2 U16.95
PRECHARGE_OUT: TP1.1 U16.36
PWM1_N: U11.3 U16.52
PWM1_P: U11.2 U16.67
PWM2_N: U11.5 U16.53
PWM2_P: U11.4 U16.68
PWM3_N: U11.7 U16.54
PWM3_P: U11.6 U16.69
PWM_INHIBIT: U14.4 U16.51
REV_IN: C30.1 R32.1 R34.2 U16.26
REVER_IN: D5.1 J1.4 R32.2
SINA: C60.1 J1.17 R111.1 R112.2
SINB: J1.7 R114.2
SPI1_MISO: U7.7 U16.90
SPI1_MOSI: U11.9 U16.91
SPI1_SCK: U11.8 U16.89
START: D19.1 J1.1 R35.2
START_IN: C31.1 R35.1 R37.2 U16.88
SWCLK: J3.3 U16.76
SWDAT: J3.1 U16.72
T15_IN: D3.1 J1.3 R7.2
T15_OUT: C1.1 R6.2 R7.1 R25.2 U16.25
THROTTLE1: C28.1 R29.1 R3000.2 U16.15
THROTTLE2: C27.1 R2007.1 R2008.2 U16.16
TMPHS1: C78.1 R128.1 ST1.2 U16.33
TMPHS2: C77.1 R129.1 ST3.2 U16.23
TMPHS3: C76.1 R130.1 ST4.2 U16.24
TMPM: C79.1 R132.1 U16.17
UDCIN: C82.1 R237.1 U1.1 U16.18
USART_RX: J4.3 U16.48
USART_TX: J4.4 U16.47
UVLO_IN: R40.2 U16.1
Net-(C58-Pad1): C58.1 R106.1 R109.2 R141.1
Net-(C59-Pad1): C59.1 R109.1 R110.2
Net-(C61-Pad1): C61.1 C62.1 R110.1
Net-(C66-Pad1): C66.1 C67.1 R115.1
Net-(C278-Pad1): C278.1 R272.1
Net-(C285-Pad1): C285.1 R200.2
Net-(C286-Pad2): C286.2 R203.1
Net-(C287-Pad1): C287.1 R283.1
Net-(C292-Pad2): C292.2 R238.2
Net-(C296-Pad1): C296.1 R291.1
Net-(C500-Pad2): C500.2 C501.1
Net-(C502-Pad2): C502.2 C503.1
Net-(C504-Pad2): C504.2 C505.1
Net-(D1-A): D1.2 Q1.2 R200.1 T1.4 T1.5
Net-(D1-K): D1.1 D2.1
Net-(D7-A): D7.2 R19.2
Net-(D10-A): C11.2 D10.2 Q5.2 R17.1
Net-(D11-A): C13.2 D11.2 Q6.2 R18.1
Net-(D12-Pad1): D12.1 D13.2 D14.2 F1.2
Net-(D18-A): D18.2 R2001.2
Net-(D27-K): D27.1 R118.1
Net-(D40-A): C9.2 D40.2 Q15.2 R14.1
Net-(D45-A): D45.2 R272.2 T1.18
Net-(D45-K): C278.2 C283.1 D45.1 Q20.2 R10.1
Net-(D54-A): D54.2 R283.2 T1.15
Net-(D54-K): C287.2 C290.1 D54.1 Q4.2 R13.1
Net-(D58-A): D58.2 R265.1
Net-(D63-A): D63.2 R238.1 T1.1
Net-(D64-A): D64.2 R291.2 T1.12
Net-(D64-K): C296.2 C298.1 D64.1 Q3.2 R12.1
Net-(D411-K): C2341.1 D411.1 R1331.1 TP291.1 U291.18
Net-(D412-K): C2342.1 D412.1 R1332.1 TP292.1 U292.18
Net-(D413-K): C2343.1 D413.1 R1333.1 TP293.1 U293.18
Net-(D421-A): D421.2 R1331.2
Net-(D422-A): D422.2 R1332.2
Net-(D423-A): D423.2 R1333.2
Net-(D471-K): C2471.1 D471.1 R1481.1 TP1441.1 U301.18
Net-(D472-K): C2472.1 D472.1 R1482.1 TP1442.1 U302.18
Net-(D473-K): C2473.1 D473.1 R1483.1 TP1443.1 U303.18
Net-(D481-A): D481.2 R1481.2
Net-(D482-A): D482.2 R1482.2
Net-(D483-A): D483.2 R1483.2
Net-(D701-A): D701.2 R1851.1
Net-(D701-K): D701.1 Q51.3
Net-(D702-A): D702.2 R1852.1
Net-(D702-K): D702.1 Q52.3
Net-(D703-A): D703.2 R1653.1
Net-(D703-K): D703.1 Q53.3
Net-(D1001-A): D1001.2 D1011.2 D1021.2 D1031.2 Q991.2 R1671.1 R1851.2 R5001.1 R5011.1 R5021.1 R5031.1
Net-(D1001-K): D1001.1 R4001.2 R5001.2 TR2.2
Net-(D1002-A): D1002.2 D1012.2 D1022.2 D1032.2 Q992.2 R1672.1 R1852.2 R5002.1 R5012.1 R5022.1 R5032.1
Net-(D1002-K): D1002.1 R4002.2 R5002.2 TR6.2
Net-(D1003-A): D1003.2 D1013.2 D1023.2 D1033.2 Q993.2 R1653.2 R1673.1 R5003.1 R5013.1 R5023.1 R5033.1
Net-(D1003-K): D1003.1 R4003.2 R5003.2 TR4.2
Net-(D1011-K): D1011.1 R4011.2 R5011.2 TR2.4
Net-(D1012-K): D1012.1 R4012.2 R5012.2 TR6.4
Net-(D1013-K): D1013.1 R4013.2 R5013.2 TR4.4
Net-(D1021-K): D1021.1 R4021.2 R5021.2 TR2.6
Net-(D1022-K): D1022.1 R4022.2 R5022.2 TR6.6
Net-(D1023-K): D1023.1 R4023.2 R5023.2 TR4.6
Net-(D1031-K): D1031.1 R4031.2 R5031.2 TR2.8
Net-(D1032-K): D1032.1 R4032.2 R5032.2 TR6.8
Net-(D1033-K): D1033.1 R4033.2 R5033.2 TR4.8
Net-(D1041-A): D1041.2 D1051.2 D1061.2 D1071.2 Q211.2 R1681.1 R5041.1 R5051.1 R5061.1 R5071.1
Net-(D1041-K): D1041.1 R4041.2 R5041.2 TR1.2
Net-(D1042-A): D1042.2 D1052.2 D1062.2 D1072.2 Q212.2 R1682.1 R5042.1 R5052.1 R5062.1 R5072.1
Net-(D1042-K): D1042.1 R4042.2 R5042.2 TR5.2
Net-(D1043-A): D1043.2 D1053.2 D1063.2 D1073.2 Q213.2 R1683.1 R5043.1 R5053.1 R5063.1 R5073.1
Net-(D1043-K): D1043.1 R4043.2 R5043.2 TR3.2
Net-(D1051-K): D1051.1 R4051.2 R5051.2 TR1.4
Net-(D1052-K): D1052.1 R4052.2 R5052.2 TR5.4
Net-(D1053-K): D1053.1 R4053.2 R5053.2 TR3.4
Net-(D1061-K): D1061.1 R4061.2 R5061.2 TR1.6
Net-(D1062-K): D1062.1 R4062.2 R5062.2 TR5.6
Net-(D1063-K): D1063.1 R4063.2 R5063.2 TR3.6
Net-(D1071-K): D1071.1 R4071.2 R5071.2 TR1.8
Net-(D1072-K): D1072.1 R4072.2 R5072.2 TR5.8
Net-(D1073-K): D1073.1 R4073.2 R5073.2 TR3.8
Net-(J1-Pin_14): F2.1 J1.14 J1.15
Net-(JP1-A): JP1.1 R26.1
Net-(Q1-G): Q1.1 R20.1 R182.1
Net-(Q1-S): C285.2 Q1.3 R175.2 R205.1
Net-(Q3-B): Q3.1 Q5.3 R12.2
Net-(Q3-C): Q3.3 Q5.1 R15.1
Net-(Q4-B): Q4.1 Q6.3 R13.2
Net-(Q4-C): Q4.3 Q6.1 R16.1
Net-(Q8-B): Q8.1 Q9.3 R100.1
Net-(Q8-E): Q8.3 Q9.1 R99.2
Net-(Q10-B): Q10.1 R123.2
Net-(Q10-C): Q10.3 R119.2 R122.1
Net-(Q11-C): Q11.2 R82.1 R83.1 R84.1 R85.1 R86.1 R87.1
Net-(Q11-G): Q11.1 Q23.3 R228.2
Net-(Q12-B): Q12.1 R2.2
Net-(Q12-C): Q12.3 R1.1 U6.3
Net-(Q15-B): Q15.1 Q20.3 R11.1
Net-(Q15-E): Q15.3 Q20.1 R10.2
Net-(Q16-B): Q16.1 R4.1 R8.1
Net-(Q16-C): Q16.3 Q17.3 R9.2 U70.4
Net-(Q17-B): Q17.1 R25.1
Net-(Q19-B): Q2.3 Q19.1 R97.1
Net-(Q19-E): Q2.1 Q19.3 R96.2
Net-(Q23-G): Q23.1 R257.2 U33.4
Net-(Q25-B): Q7.3 Q25.1 R103.1
Net-(Q25-E): Q7.1 Q25.3 R102.2
Net-(Q41-D): Q41.2 R4041.1 R4051.1 R4061.1 R4071.1
Net-(Q41-G): Q41.1 R1691.1 Z221.1
Net-(Q42-D): Q42.2 R4042.1 R4052.1 R4062.1 R4072.1
Net-(Q42-G): Q42.1 R1692.1 Z222.1
Net-(Q43-D): Q43.2 R4043.1 R4053.1 R4063.1 R4073.1
Net-(Q43-G): Q43.1 R1693.1 Z223.1
Net-(Q51-S): Q51.2 R193.1
Net-(Q52-S): Q52.2 R191.1
Net-(Q53-S): Q53.2 R197.1
Net-(Q181-D): Q181.3 R1641.1 Z181.2
Net-(Q181-G): Q181.1 R1631.2 Z191.1
Net-(Q182-D): Q182.3 R1642.1 Z182.2
Net-(Q182-G): Q182.1 R1632.2 Z192.1
Net-(Q183-D): Q183.3 R1643.1 Z183.2
Net-(Q183-G): Q183.1 R1633.2 Z193.1
Net-(Q211-G): Q211.1 R1761.2 Z251.2
Net-(Q212-G): Q212.1 R1762.2 Z252.2
Net-(Q213-G): Q213.1 R1763.2 Z253.2
Net-(Q301-D): Q301.3 R1641.2 Z211.1
Net-(Q301-G): Q301.1 R1651.1 Z201.2
Net-(Q302-D): Q302.3 R1642.2 Z212.1
Net-(Q302-G): Q302.1 R1652.1 Z202.2
Net-(Q303-D): Q303.3 R1643.2 Z213.1
Net-(Q303-G): Q303.1 R1853.1 Z203.2
Net-(Q311-D): Q311.3 R1711.1 Z221.2
Net-(Q311-G): Q311.1 R1701.2 Z231.1
Net-(Q312-D): Q312.3 R1712.1 Z222.2
Net-(Q312-G): Q312.1 R1702.2 Z232.1
Net-(Q313-D): Q313.3 R1713.1 Z223.2
Net-(Q313-G): Q313.1 R1703.2 Z233.1
Net-(Q321-D): Q321.3 R1711.2 Z251.1
Net-(Q321-G): Q321.1 R1721.1 Z241.2
Net-(Q322-D): Q322.3 R1712.2 Z252.1
Net-(Q322-G): Q322.1 R1722.1 Z242.2
Net-(Q323-D): Q323.3 R1713.2 Z253.1
Net-(Q323-G): Q323.1 R1723.1 Z243.2
Net-(Q981-D): Q981.2 R4001.1 R4011.1 R4021.1 R4031.1
Net-(Q981-G): Q981.1 R1581.1 Z181.1
Net-(Q982-D): Q982.2 R4002.1 R4012.1 R4022.1 R4032.1
Net-(Q982-G): Q982.1 R1582.1 Z182.1
Net-(Q983-D): Q983.2 R4003.1 R4013.1 R4023.1 R4033.1
Net-(Q983-G): Q983.1 R1583.1 Z183.1
Net-(Q991-G): Q991.1 R1661.2 Z211.2
Net-(Q992-G): Q992.1 R1662.2 Z212.2
Net-(Q993-G): Q993.1 R1663.2 Z213.2
Net-(R24-Pad1): R24.1 TP2.1 U14.6
Net-(R46-Pad1): R46.1 R47.1 R48.1 R49.1 R50.1 R51.1 R52.2 R53.2 R54.2 R55.2 R56.2 R57.2
Net-(R52-Pad1): R52.1 R53.1 R54.1 R55.1 R56.1 R57.1 R58.2 R59.2 R60.2 R61.2 R62.2 R63.2
Net-(R58-Pad1): R58.1 R59.1 R60.1 R61.1 R62.1 R63.1 R64.2 R65.2 R66.2 R67.2 R68.2 R69.2
Net-(R64-Pad1): R64.1 R65.1 R66.1 R67.1 R68.1 R69.1 R70.2 R71.2 R72.2 R73.2 R74.2 R75.2